# Altium PCB HIVE_BOARD.PcbDoc (part 7 of 9)
Units mil, origin at the board's own origin, x right, y up, seen from the top; angles counter-clockwise.
Board outline 4330.71 x 4330.71 mil, 8 copper layers (Top, GND_1, Signal_1, GND_2, PWR, Signal_2, GND_3, Bottom), stack 62.994 mil thick; 660 components, 468 nets, 2497 pads, 1806 vias.
Unrouted connection lines stored in the file: 30.
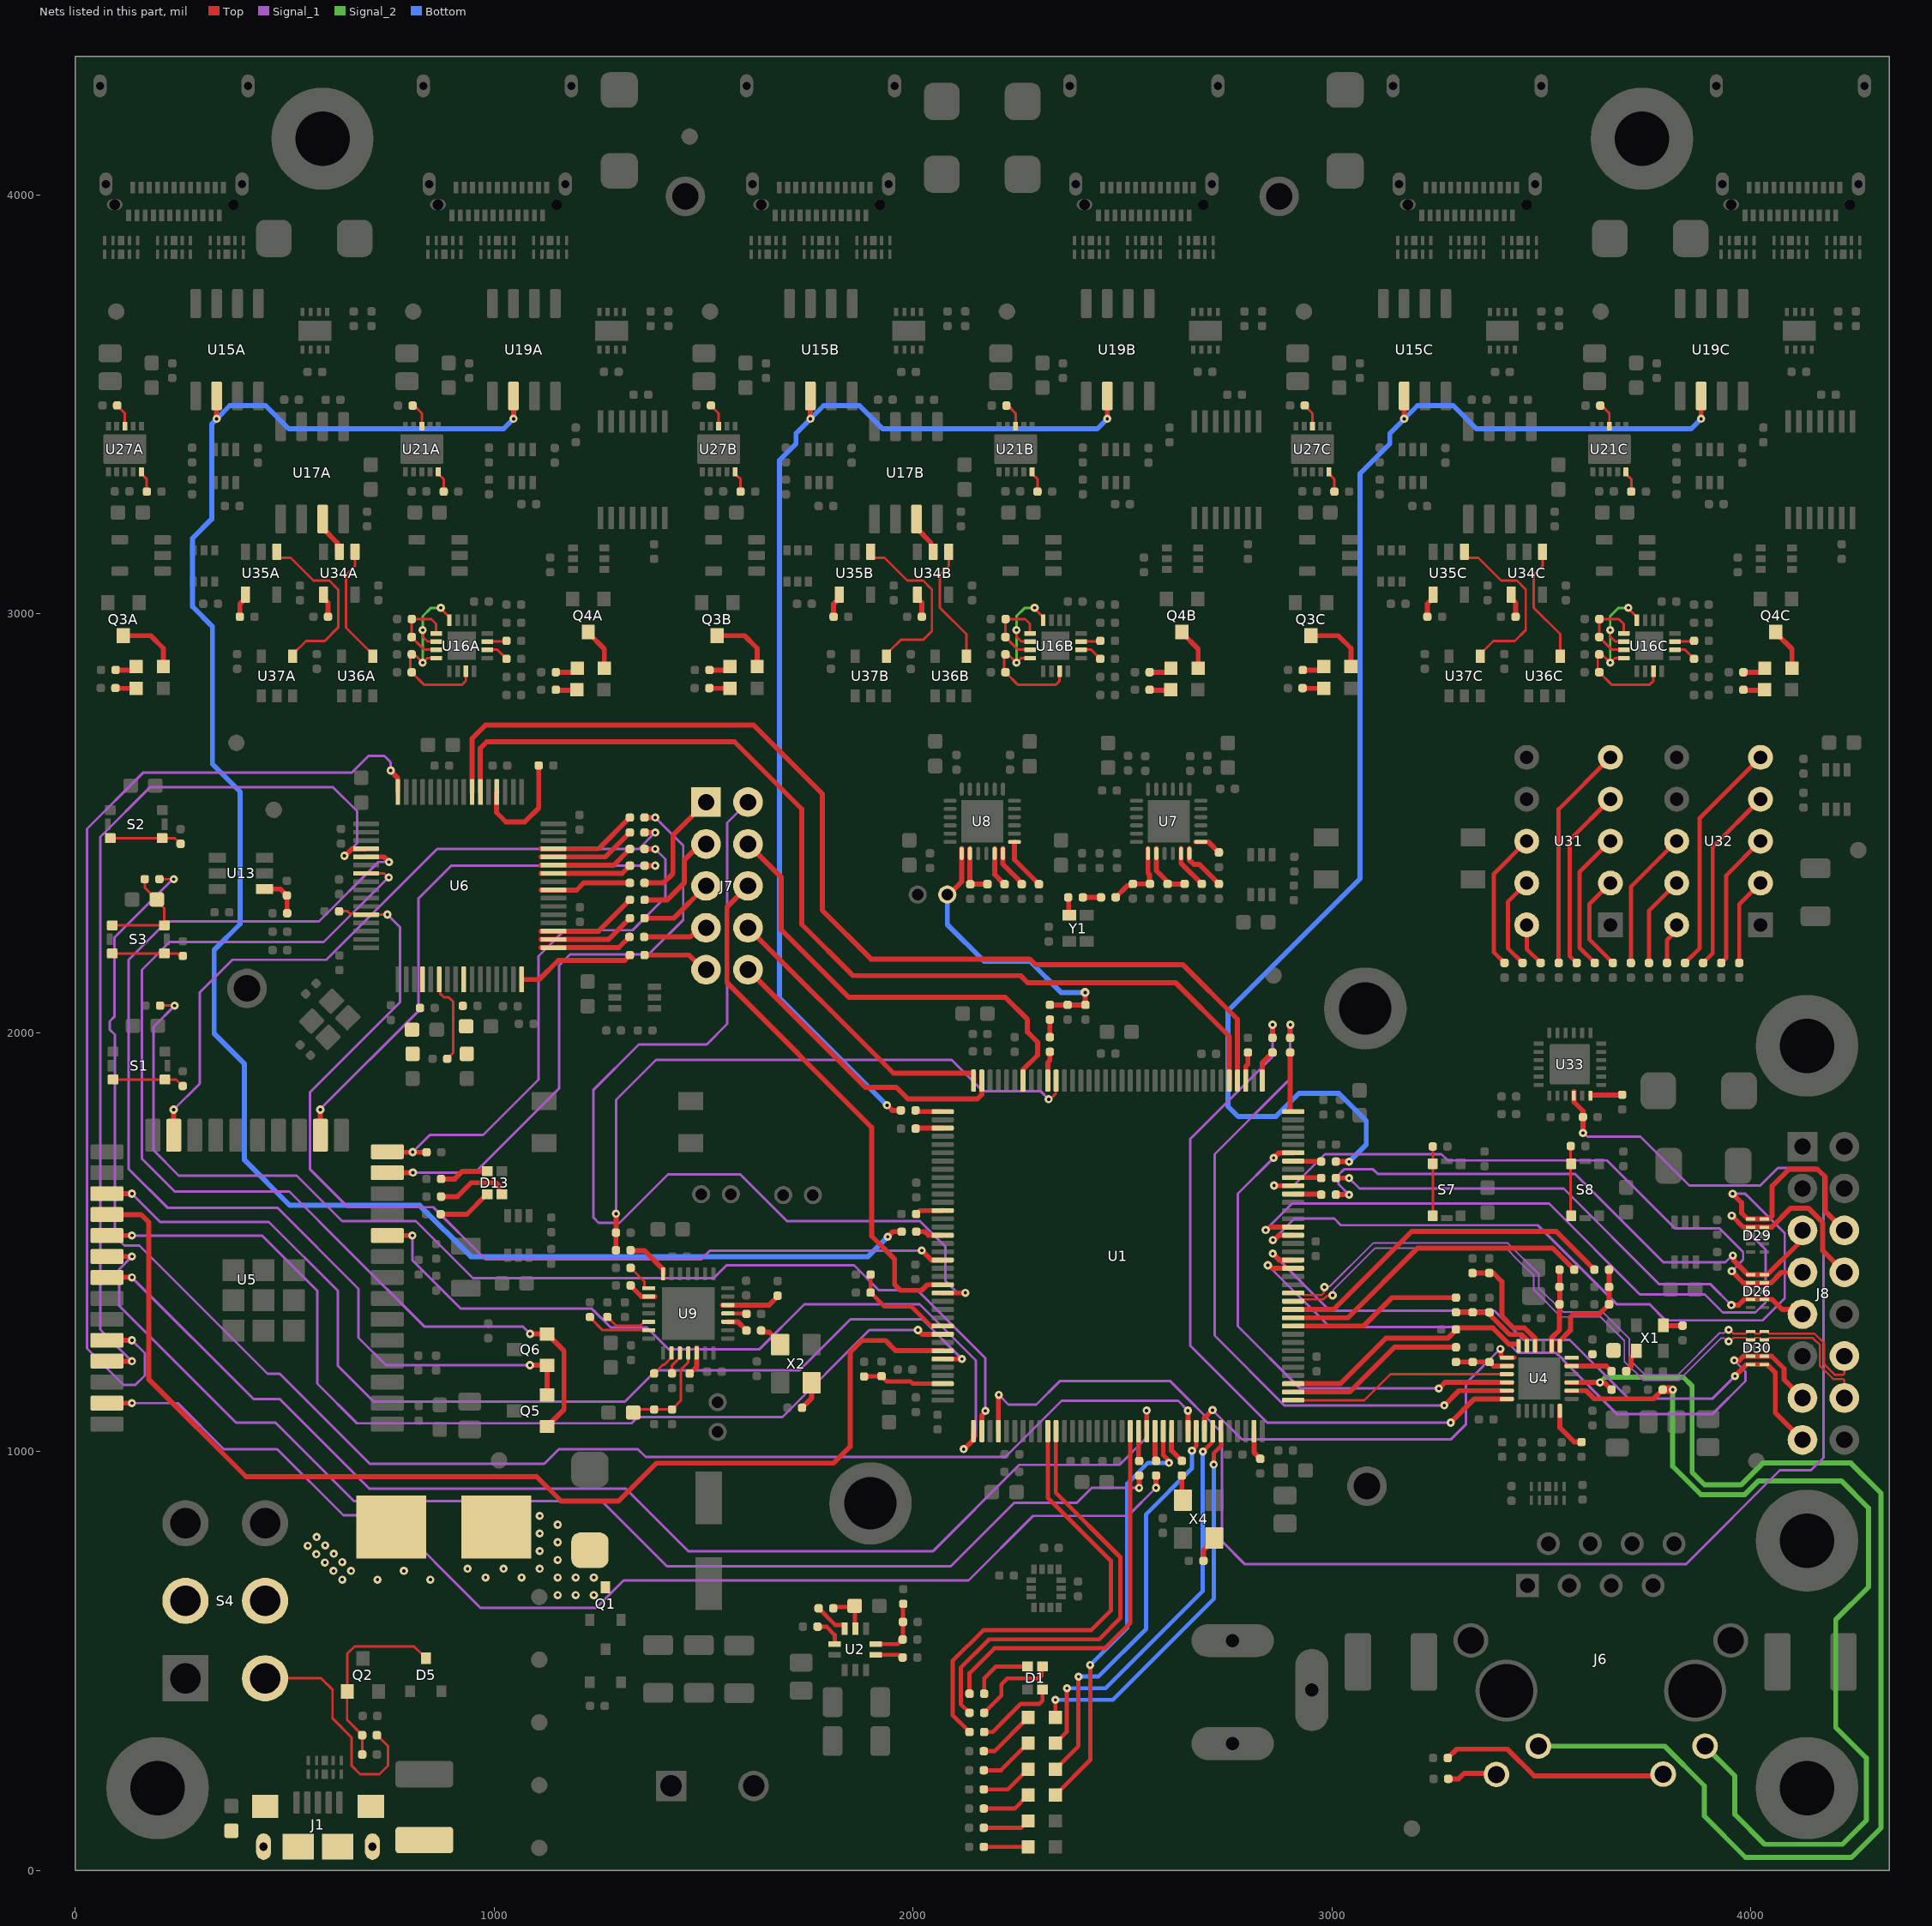
[diagram p13: the nets of this part, all layers, seen from the top]

## Via types
v1: diameter 19.68, hole 7.87, Top to Bottom, tented both sides, 1753 vias
v2: diameter 19.68, hole 7.87, Top to Bottom, 41 vias
v3: diameter 21.65, hole 7.87, Top to Bottom, tented both sides, 7 vias
v4: diameter 19.68, hole 7.87, Top to Bottom, tented bottom, 5 vias

## Nets (pads, with @x,y where several pads share a name; then routed paths per layer and width w, separated by ;. In a path a pad name is that pad's centre, name@x,y a point inside that pad or via, vN(x,y) a via of type N, cw(c..) or ccw(c..) an arc to the next point about the centre after c; other vN are vias at no path point) (continued)
IO_EXP_INT#: R134.1 U1.4 U33.22 | length 3959.9
  Top w12: U1.4@2203.79,1048.79 2203.88,1048.89 2203.88,1134.48 v1(2204.79,1135.39) ; U33.22@3577.71,1859.76 U33.22@3577.71,1849.83 3577.71,1834.62 3599.2,1813.14 R134.1@3599.2,1798.47 R134.1@3599.2,1791.97 ; R134.1@3599.28,1791.89 3599.28,1760.63 v1(3599.35,1760.55)
  Signal_1 w6: v1(2204.79,1135.39) 2228.21,1111.97 2294.49,1111.97 2351.2,1168.68 2613.32,1168.68 2737.46,1044.54 2737.46,786.07 2792.55,730.99 3844.68,730.99 4069.13,955.43 4143.25,955.43 4173.27,985.45 4173.27,1659.91 4155.92,1677.25 4064.7,1677.25 4022.47,1635.02 3853.06,1635.02 3736.25,1751.83 3609.71,1751.83 3600.99,1760.55 v1(3599.35,1760.55)
MCU_LED_0: D22.K U1.30 | length 954.4
  Top w10: D22.K@2339.87,303.88 2367.45,331.46 v1@2367.45,435.2 ; v1(2692,1000) 2714.69,1022.69 2714.69,1047.89 U1.30@2715.6,1048.79
  Bottom w10: v1(2367.69,435.2) 2459.77,435.2 2691.18,666.61 2691.18,999.18 v1(2692,1000)
MCU_LED_1: D23.K U1.28 | length 973.7
  Top w10: D23.K@2339.87,242.04 2395.13,297.29 v1@2395.13,462.88 ; v1(2666,1002) 2666,1002.26 2676.07,1012.33 2676.07,1048.63 U1.28@2676.23,1048.79
  Bottom w10: v1(2395.36,462.88) 2442.66,462.88 2556.57,576.78 2556.57,850.43 2666,959.86 v1(2666,1002)
MCU_LED_2: D24.K U1.24 | length 1016.7
  Top w10: D24.K@2339.87,180.2 2423.3,263.62 v1@2423.3,490.55 ; v1@2422.38,490.32 v1@2422.87,490.81 ; U1.24@2597.49,1048.79 2597.49,991.51 2608.96,980.04 2608.96,975.43 v1(2611.19,973.2)
  Bottom w10: v1(2423.04,490.55) 2511.63,579.14 2511.63,923.49 2561.34,973.2 v1(2611.19,973.2)
MCU_LED_B: R1.2 U1.10 | length 1104.3
  Top w10: R1.2@2135.03,330.68 2094.56,371.15 2094.56,500.26 2167.83,573.52 2425.12,573.52 2472.26,620.66 2472.26,739.54 2322,889.8 2322,1048.69 U1.10@2321.9,1048.79
MCU_LED_G: R2.2 U1.11 | length 1056.6
  Top w10: R2.2@2135.03,376.38 2114,397.41 2114,483.99 2181.84,551.82 2444.07,551.82 2495,602.75 2495,747.71 2341,901.71 2341,1048.21 U1.11@2341.58,1048.79
MCU_LED_HB: D25.K U1.31 | length 927.3
  Top w10: D25.K@2340.01,365.72 v1(2340.01,407.52) ; v1(2718,969) 2718,995.83 2735.28,1013.11 U1.31@2735.28,1048.79
  Bottom w10: v1(2340.01,407.52) 2477.42,407.52 2718,648.1 v1(2718,969)
MCU_LED_R: R3.2 U1.20 | length 940.1
  Top w10: R3.2@2135.03,422.08 2135.03,471.09 2194.37,530.43 2457.99,530.43 2518.75,591.18 U1.20@2518.75,1048.79
MCU_OSC_EN: R64.2 X4.1 | length 65.1
  Top w12: R64.2@2693.45,739.23 2693.45,764.17 2703.38,774.11 2719.04,789.76 X4.1@2719.04,793.7
MCU_RST#: R8.2 U1.27 | length 3876
  Top w6: R8.2@200.97,2366.33 R8.2@201.33,2366.33 v1@235.39,2366.33
  Top w12: U1.27@2656.54,1048.79 v1@2656.54,1097.6
  Signal_1 w6: v1@233.21,2366.33 93.75,2226.87 93.75,2037.75 83.07,2027.07 83.07,2006.93 94.9,1995.1 94.9,1514.56 117.73,1491.72 153.59,1491.72 459.62,1185.69 488.83,1185.69 703.56,970.96 1119.96,970.96 1154.68,1005.67 1343.4,1005.67 1362.08,987 2220.74,987 2354.93,1121.2 2632.94,1121.2 v1(2656.27,1097.87)
  other v1: 235.53,2366.19
MEZ_ADC1_N: D30.2 D30.9 J8.14 U1.49 | length 1723.5
  Top w5: U1.49@2907.53,1358.83 2928.44,1358.83 2933.28,1363.67 2979.82,1363.67 2987.45,1371.3 2999.93,1371.3 v1(3001.65,1373.01) ; v1(3946.95,1262.93) 3949.38,1262.93 3958.21,1271.75 3987.76,1271.75 3990.69,1268.82 3990.69,1268.35 3992.13,1266.91 D30.2@3999.31,1266.91 4006.5,1266.91 4007.93,1268.35 4007.93,1268.82 4010.86,1271.75 4020.63,1271.75 4023.56,1268.82 4023.56,1268.35 4025,1266.91 D30.9@4032.18,1266.91 4039.37,1266.91 4043.55,1271.09 4148.06,1271.09 4165.16,1253.99 4165.16,1204.51 4196.72,1172.95 4220.3,1172.95 4223.23,1170.02 J8.14@4223.23,1127.95
  Signal_1 w4: v1(3001.65,1373.01) 3004.01,1375.38 3004.01,1386.45 3103.42,1485.86 3415.17,1485.86 3444.59,1456.43 3481.76,1419.27 3481.76,1386.35 3546.72,1321.38 3641.31,1321.38 3661.7,1301 3698.08,1264.61 3698.08,1215.36 3742.96,1170.49 3829.49,1170.49 3929.75,1270.75 3935.78,1270.75 3943.61,1262.93 v1(3946.95,1262.93)
MEZ_ADC1_P: D30.1 D30.10 J8.12 U1.50 | length 1726
  Top w5: U1.50@2907.53,1378.52 2928.44,1378.52 2933.28,1373.67 2975.68,1373.67 2980.38,1378.37 2980.38,1390.85 v1(2982.09,1392.57) ; v1(3946.95,1290.58) 3949.38,1290.58 3958.21,1281.75 3987.76,1281.75 3990.69,1284.68 3990.69,1285.16 3992.13,1286.6 D30.1@3999.31,1286.6 4006.5,1286.6 4007.93,1285.16 4007.93,1284.68 4010.86,1281.75 4020.63,1281.75 4023.56,1284.68 4023.56,1285.16 4025,1286.6 D30.10@4032.18,1286.6 4039.37,1286.6 4040.81,1285.16 4040.81,1284.68 4043.74,1281.75 4151.54,1281.75 4175.16,1258.13 4175.16,1208.65 4200.86,1182.95 4220.3,1182.95 4223.23,1185.88 J8.12@4223.23,1227.95
  Signal_1 w4: v1(2982.09,1392.57) 2984.46,1394.93 2995.53,1394.93 3098.45,1497.86 3420.14,1497.86 3493.76,1424.24 3493.76,1391.32 3551.69,1333.38 3646.28,1333.38 3678.67,1301 3710.08,1269.58 3710.08,1220.33 3747.93,1182.49 3824.52,1182.49 3924.78,1282.75 3935.78,1282.75 3943.61,1290.58 v1(3946.95,1290.58)
MEZ_I2C_SCL: D30.4 D30.7 J8.13 U1.53 | length 1668.5
  Top w12: v1(2847.2,1444.81) 2849.82,1444.81 2857.05,1437.57 U1.53@2907.53,1437.57 ; v1(3960.33,1217.77) 3973.01,1217.77 3982.79,1227.54 D30.4@3999.31,1227.54 D30.7@4032.18,1227.54 4049.46,1227.54 4079.12,1197.88 4079.12,1172.06 J8.13@4123.23,1127.95
  Signal_1 w6: v1(2847.2,1444.81) 2994.82,1297.19 3382.2,1297.19 3443.65,1235.74 3534.17,1235.74 3538.86,1231.05 3541.2,1231.05 3551.06,1221.18 3551.06,1218.84 3680.69,1089.22 3908.06,1089.22 3987.1,1168.26 3987.1,1190.99 v1(3960.33,1217.77)
MEZ_I2C_SDA: D30.5 D30.6 J8.15 U1.54 | length 1627.8
  Top w12: v1(2858.74,1472.67) 2874.06,1457.35 2907.43,1457.35 U1.54@2907.53,1457.26 ; v1(3962.21,1180.22) 3989.85,1207.85 D30.5@3999.31,1207.85 D30.6@4032.18,1207.85 4039.15,1207.85 4051,1196 4058.46,1188.54 4058.46,1092.72 J8.15@4123.23,1027.95
  Signal_1 w6: v1(2858.74,1472.67) 2994.93,1336.49 3387.83,1336.49 3457.42,1266.9 3567.81,1266.9 3708.7,1126 3908,1126 v1(3962.21,1180.22)
MEZ_SPI_MISO: D26.2 D26.9 J8.7 U1.63 | length 1541.1
  Top w12: v1(2861.91,1635.13) 2862.52,1634.52 2907.43,1634.52 U1.63@2907.53,1634.42 ; v1(3954.35,1430.65) 3982.18,1402.82 D26.2@3999.31,1402.82 D26.9@4032.18,1402.82 4047.82,1402.82 4072.95,1427.95 J8.7@4123.23,1427.95
  Signal_1 w6: v1(2861.91,1635.13) 2908.74,1635.13 2983.44,1709.82 3261.76,1709.82 3276.66,1694.92 3656.47,1694.92 3818.36,1533.03 3924.97,1533.03 3981.61,1476.39 3981.61,1457.91 v1(3954.35,1430.65)
MEZ_SPI_MOSI: D26.4 D26.7 J8.9 R173.2 | length 1259.2
  Top w12: R173.2@3009.5,1653 v1@3040.8,1653 ; v1(3953.39,1349.75) 3970.98,1349.75 3984.68,1363.45 D26.4@3999.31,1363.45 D26.7@4032.18,1363.45 4050.74,1363.45 4074.97,1339.22 4111.96,1339.22 J8.9@4123.23,1327.95
  Signal_1 w6: v1(3041.13,1652.67) 3066.18,1627.62 3553,1627.62 3781.25,1399.36 3903.78,1399.36 v1(3953.39,1349.75)
MEZ_SPI_SCK: D26.1 D26.10 J8.5 R172.2 | length 1381.1
  Top w12: R172.2@3009.5,1613.38 v1@3040.8,1613.38 ; v1(3957,1468) 3958.85,1466.15 3958.85,1456.68 3993.02,1422.5 D26.1@3999.31,1422.5 D26.10@4032.18,1422.5 4039.5,1422.5 4111.96,1494.96 4111.96,1516.69 J8.5@4123.23,1527.95
  Signal_1 w6: v1(3041.13,1613.04) 3016.18,1637.99 3016.18,1660.9 3028.92,1673.65 3098.45,1673.65 3109.09,1663.01 3580.06,1663.01 3791.12,1451.95 3939.23,1451.95 3955.28,1468 v1(3957,1468)
MEZ_UART_Rx: D29.1 D29.10 J8.6 U1.57 | length 2242.4
  Top w12: v1(2859.12,1504.76) 2861.73,1504.76 2873.19,1516.22 2907.43,1516.22 U1.57@2907.53,1516.31 ; v1(3956.62,1615.29) 3978.14,1593.77 3978.14,1569.47 3992.5,1555.12 D29.1@3999.31,1555.12 D29.10@4032.18,1555.12 4043.75,1555.12 4050.77,1562.15 4050.77,1633.73 4091.05,1674 4159.17,1674 4177.8,1655.38 4177.8,1573.39 J8.6@4223.23,1527.95
  Signal_1 w6: v1(2859.12,1504.76) 2910.36,1556 3005.55,1556 3021.1,1540.45 3491.14,1540.45 3679.59,1352 3757.71,1352 3796.53,1313.18 4028.07,1313.18 4077.28,1362.38 4080.8,1365.9 4080.8,1521.18 3998.28,1603.7 3986.68,1615.29 v1(3956.62,1615.29)
MEZ_UART_Tx: D29.2 D29.9 J8.8 U1.58 | length 2048.1
  Top w12: v1(2841.94,1528.93) 2844.56,1528.93 2851.62,1536 U1.58@2907.53,1536 ; v1(3954.35,1563.27) 3982.18,1535.43 D29.2@3999.31,1535.43 D29.9@4032.18,1535.43 4049.43,1535.43 4095.1,1581.1 4136.87,1581.1 4171.71,1546.26 4171.71,1479.47 J8.8@4223.23,1427.95
  Signal_1 w6: v1(2841.94,1528.93) 2904.86,1591.85 3518.21,1591.85 3735.06,1375 3889.94,1375 3933.01,1331.93 4010.88,1331.93 4035.35,1356.39 4035.35,1482.27 v1(3954.35,1563.27)
MODE0: R18.1 R53.1 R157.2 U4.8 | length 202.1
  Top w12: U4.8@3524.38,1240 3524.38,1271.38 3543.28,1290.28 R53.1@3543.28,1351.58 ; R53.1@3543.83,1351.58 3543.83,1393.08 R18.1@3543.83,1434.31
MODE1: R19.1 R58.1 R158.2 U4.7 | length 279.1
  Top w12: U4.7@3544.06,1240 3544.06,1264.06 3569.39,1289.39 3569.39,1320.97 3576.42,1328 3637.92,1328 3657.51,1347.58 3657.66,1347.58 R58.1@3661.66,1351.58 R158.2@3661.58,1392.88 3661.58,1434.23 R19.1@3661.51,1434.31
MODE2: R47.1 R60.1 R159.2 U4.11 | length 226.1
  Top w12: R47.1@3296.12,1332.48 R47.1@3296.12,1332.48 R159.2@3376.06,1332.4 R159.2@3376.06,1332.4 3380.06,1328.4 3380.06,1323.94 3424.52,1279.48 3453.11,1279.48 3465.22,1267.36 3465.22,1252.44 U4.11@3465.32,1252.33 U4.11@3465.32,1240
NetC4_1: C4.1 R8.1 S3.3 S3.4 | length 248.9
  Top w6: S3.4@88.92,2256.09 S3.3@212.93,2256.09 212.93,2296.97 C4.1@196.54,2313.36 ; R8.1@166.33,2366.33 166.33,2346.15 194.73,2317.75 C4.1@195.23,2317.75
NetC26_1: C26.1 R15.1 R26.2 U2.7 | length 154.1
  Top w10: U2.7@1911.56,540.58 1963.98,540.58 1974.89,551.48 R15.1@1975.43,551.48 1976.13,552.19 1976.13,635.89 R26.2@1976.84,636.6
NetC37_1: C37.1 R24.2 U2.9 | length 109.1
  Top w10: R24.2@1809.76,625.98 1812.76,628.98 1857.76,628.98 C37.1@1860.76,631.98 1861.55,631.18 1861.55,577.79 U2.9@1862.35,577
NetC47_2: C47.2 U9.9 | length 71.3
  Top w12: C47.2@1323.73,1396.59 1327.73,1392.59 1329.41,1392.59 1352,1370 U9.9@1384.06,1370
NetC48_2: C48.2 U9.25 | length 44.9
  Top w10: U9.25@1558.22,1329.83 1568.89,1329.83 1569.08,1329.64 1601.59,1329.64 C48.2@1602.64,1328.59
NetC54_2: C54.2 C56.2 U4.6
NetC80_1: C80.1 C81.2 L4.2 U6.4
NetC82_1: C82.1 C83.2 L6.2 U6.9
NetC86_1: C86.1 R7.2 R20.1 U9.18 | length 246.4
  Top w6: C86.1@1332.45,1093.1 1339.83,1100.48 R7.2@1424.86,1100.48 1446.27,1121.88 1446.27,1195.63 1463.72,1213.09 U9.18@1463.72,1235.33
NetC94_1: C94.1 R81.1 R84.2 U7.7 | length 177.1
  Top w12: C94.1@2481.85,2323.98 C94.1@2483.85,2321.98 ; C94.1@2483.85,2322.95 2511.9,2351 2521,2351 R81.1@2525,2355 R81.1@2525,2355 R84.2@2565.8,2355.08 ; U7.7@2561.18,2439.55 U7.7@2561.18,2427.68 2561.18,2380.84 2564.43,2377.59 R84.2@2564.43,2361.91
NetC94_2: C94.2 R82.1 | length 43.8
  Top w12: R82.1@2405.49,2322.95 2405.97,2322.47 2448.36,2322.47 C94.2@2448.85,2321.98
NetD1_1: D1.1 R1.1 | length 197
  Top w10: R1.1@2170.03,330.68 2190.29,330.68 2226.6,367 2257.66,398.06 2302.25,398.06 2309.28,405.09 D1.1@2309.28,432.02
NetD1_2: D1.2 R2.1 | length 212
  Top w10: R2.1@2170.03,376.38 2210.99,417.34 2210.99,444.36 2225.21,458.58 2299.58,458.58 2306.42,465.42 2306.42,484.28 D1.2@2309.28,487.14
NetD1_4: D1.4 R3.1 | length 152.3
  Top w10: R3.1@2170.03,422.08 2170.03,458.92 2198.25,487.14 D1.4@2273.84,487.14
NetD3_1: D3.1 F1.2 Q1.3
  other v1: 1152.07,657.37 1195.13,657.37 1238.18,657.37 979.86,699.41 1065.97,699.41 1152.07,699.41 1195.13,699.41 1238.18,699.41 936.81,720.43 1022.91,720.43 1109.02,720.43 1152.07,741.44 1109.02,762.46 1152.07,783.48 1109.02,804.5 1152.07,825.51 1109.02,846.53
NetD4_A: D4.A R11.2 | length 105.8
  Top w10: R11.2@2169.09,56.5 D4.A@2274.91,56.51
NetD5_3: D5.3 Q2.1 R13.1 R14.2 | length 459.5
  Top w6: R14.2@685.24,281.24 685.28,281.28 685.28,323.56 685.32,323.6 649.27,359.64 649.27,427.09 Q2.1@649.79,427.6 649.79,517.79 667,535 809.11,535 826.72,517.39 828.68,517.39 837.49,508.58 D5.3@837.49,506.61
NetD6_A: D6.A R25.1 | length 112.6
  Top w10: R25.1@2169.01,102.2 2258.75,102.2 D6.A@2274.91,118.35
NetD13_1: D13.1 R40.1 | length 117.5
  Top w12: R40.1@873.69,1650.7 906.4,1650.7 924.8,1669.1 D13.1@983.54,1669.1
NetD13_2: D13.2 R46.1 | length 130.5
  Top w12: R46.1@872.68,1566.63 935.21,1566.63 982.56,1613.98 D13.2@983.54,1613.98
NetD13_4: D13.4 R63.1 | length 179
  Top w12: R63.1@873.69,1608.67 912.73,1608.67 945.77,1641.71 1004.92,1641.71 1012.18,1634.45 1012.18,1619.79 1017.99,1613.98 D13.4@1018.98,1613.98
NetD14A_A: D14A.A R115A.1 | length 53.9
  Top w12: R115A.1@92.56,2821.81 145.56,2821.81 D14A.A@145.87,2821.5 ; R115A.1@96.35,2822.71 R115A.1@96.66,2822.39
NetD14B_A: D14B.A R115B.1 | length 53.9
  Top w12: R115B.1@1509.88,2821.81 1562.88,2821.81 D14B.A@1563.2,2821.5 ; R115B.1@1513.9,2822.42 R115B.1@1514.22,2822.1
NetD14C_A: D14C.A R115C.1 | length 53.9
  Top w12: R115C.1@2927.2,2821.81 2980.21,2821.81 D14C.A@2980.52,2821.5 ; R115C.1@2929.94,2822.37 R115C.1@2930.26,2822.06
NetD17A_A: D17A.A R77A.1 | length 56.7
  Top w12: R77A.1@92.77,2865.29 137.16,2865.29 D17A.A@145.87,2874
NetD17A_K: D17A.K Q3A.3 | length 151.2
  Top w12: Q3A.3@115.47,2947.63 180.51,2947.63 210.83,2917.31 D17A.K@210.83,2874
NetD17B_A: D17B.A R77B.1 | length 56.7
  Top w12: R77B.1@1510.09,2865.29 1554.48,2865.29 D17B.A@1563.2,2874
NetD17B_K: D17B.K Q3B.3 | length 151.2
  Top w12: Q3B.3@1532.79,2947.63 1597.84,2947.63 1628.16,2917.31 D17B.K@1628.16,2874
NetD17C_A: D17C.A R77C.1 | length 56.7
  Top w12: R77C.1@2927.42,2865.29 2971.81,2865.29 D17C.A@2980.52,2874
NetD17C_K: D17C.K Q3C.3 | length 151.2
  Top w12: Q3C.3@2950.12,2947.63 3015.16,2947.63 3045.48,2917.31 D17C.K@3045.48,2874
NetD19A_A: D19A.A R110A.1 | length 56.7
  Top w12: R110A.1@1147.57,2860.29 1191.96,2860.29 D19A.A@1200.67,2869
NetD19A_K: D19A.K Q4A.3 | length 102.3
  Top w12: Q4A.3@1224.9,2956.33 1224.9,2954.36 1263.48,2915.78 D19A.K@1263.48,2870
NetD19B_A: D19B.A R110B.1 | length 56.7
  Top w12: R110B.1@2564.89,2860.29 2609.28,2860.29 D19B.A@2617.99,2869
NetD19B_K: D19B.K Q4B.3 | length 102.3
  Top w12: Q4B.3@2642.22,2956.33 2642.22,2954.36 2680.8,2915.78 D19B.K@2680.8,2870
NetD19C_A: D19C.A R110C.1 | length 56.7
  Top w12: R110C.1@3982.21,2860.29 4026.6,2860.29 D19C.A@4035.32,2869
NetD19C_K: D19C.K Q4C.3 | length 102.3
  Top w12: Q4C.3@4059.54,2956.33 4059.54,2954.36 4098.13,2915.78 D19C.K@4098.13,2870
NetD20A_A: D20A.A R123A.1 | length 53.9
  Top w12: R123A.1@1147.04,2817.12 1147.36,2816.81 1200.36,2816.81 D20A.A@1200.67,2816.5
NetD20B_A: D20B.A R123B.1 | length 53.9
  Top w12: R123B.1@2564.36,2817.12 2564.68,2816.81 2617.68,2816.81 D20B.A@2617.99,2816.5
NetD20C_A: D20C.A R123C.1 | length 53.9
  Top w12: R123C.1@3981.69,2817.12 3982,2816.81 4035,2816.81 D20C.A@4035.32,2816.5
NetD22_A: D22.A R5.2 | length 132.6
  Top w10: R5.2@2169.09,239.29 2210.32,239.29 D22.A@2274.91,303.88
NetD23_A: D23.A R23.2 | length 125.9
  Top w10: R23.2@2169.09,193.59 2226.47,193.59 D23.A@2274.91,242.04
NetD24_A: D24.A R33.2 | length 119.2
  Top w10: R33.2@2169.09,147.89 2242.61,147.89 D24.A@2274.91,180.2
NetD25_A: D25.A R129.2 | length 139.4
  Top w10: R129.2@2169.09,284.99 2194.32,284.99 D25.A@2275.05,365.72
NetF1_1: F1.1 S4.2 S4.5
  other v1: 637.89,694.2 721.96,694.2 848.07,694.2 616.88,715.22 658.91,715.22 785.02,715.22 596.43,735.19 637.89,736.24 575.98,755.16 617.45,756.21 555.53,775.13 597,776.18 576.55,796.15
NetJ6_9: J6.9 R51.2 | length 121.7
  Top w12: R51.2@3277.73,218.91 3302.39,218.91 3315.65,232.16 3389.82,232.16 J6.9@3392.7,229.28
NetJ6_11: J6.11 R49.2 | length 551
  Top w12: R49.2@3276.5,268.67 3297.68,289.85 3418.96,289.85 3482.68,226.13 3786.8,226.13 J6.11@3790.73,230.07
NetJ7_1: J7.1 R79.1 | length 280.4
  Top w12: R79.1@1359.23,2357.44 1404.72,2357.44 1427.06,2379.78 1427.06,2471.08 J7.1@1506.25,2550.27
NetJ7_2: J7.2 U1.131 | length 2400.3
  Top w12: U1.131@2070.82,1378.42 U1.131@2070.91,1378.52 2071.01,1378.61 2124.95,1378.61 v1(2125.2,1378.86)
  Signal_1 w6: J7.2@1606.25,2550.27 1556.73,2500.75 1556.73,2020.9 1507.79,1971.95 1345.8,1971.95 1236.83,1862.98 1236.83,1559.04 1249.79,1546.08 1299.86,1546.08 1415.48,1661.71 1587.9,1661.71 1699.79,1549.81 2016.87,1549.81 2077.2,1489.48 2077.2,1407.83 2105.37,1379.66 2124.4,1379.66 v1(2125.2,1378.86)
NetJ7_3: J7.3 R54.1 | length 233.9
  Top w12: R54.1@1359.37,2316.97 1413.62,2316.97 1453.89,2357.24 1453.89,2411.49 1492.66,2450.27 J7.3@1506.25,2450.27
NetJ7_4: J7.4 U1.102 | length 1084.3
  Top w12: J7.4@1606.25,2450.27 1685.89,2370.63 1685.89,2245.23 1846.67,2084.45 2220.28,2084.45 2273.31,2031.42 2273.31,2001.55 2297.37,1977.48 2297.37,1946.37 2262.84,1911.84 U1.102@2262.84,1885.4
NetJ7_5: J7.5 R37.1 | length 178.8
  Top w12: R37.1@1359.37,2273.27 1429.25,2273.27 J7.5@1506.25,2350.27
NetJ7_6: J7.6 U1.130 | length 1264.1
  Top w12: J7.6@1606.25,2350.27 1556,2300.01 1556,2119.49 1901.54,1773.95 1901.54,1514.25 1956.27,1459.52 1956.27,1398.73 1970.24,1384.76 2020.94,1384.76 2034.29,1398.11 2070.82,1398.11 U1.130@2070.91,1398.2
NetJ7_7: J7.7 R32.1 | length 156.9
  Top w12: R32.1@1358.37,2228.39 1468.45,2228.39 1490.32,2250.27 J7.7@1506.25,2250.27
NetJ7_8: J7.8 U1.108 | length 699.9
  Top w12: J7.8@1606.25,2250.27 1953.49,1903.03 2144.64,1903.03 2144.73,1902.93 U1.108@2144.73,1885.4
NetJ7_9: J7.9 R31.1 | length 161.3
  Top w12: R31.1@1359.36,2185.11 1465.53,2185.11 1500.37,2150.27 J7.9@1506.25,2150.27
NetJ7_10: J7.10 U1.107 | length 723.3
  Top w12: J7.10@1606.25,2150.27 1735.93,2020.59 1886.79,1869.72 1959.9,1869.72 1987.97,1841.66 2153.47,1841.66 2164.32,1852.51 2164.32,1885.31 U1.107@2164.42,1885.4
NetQ5_1: Q5.1 Q6.2 U6.55 | length 2585.8
  Top w6: U6.55@694.55,2380.02 737.46,2380.02 747,2370.47 v1(748.8,2370.47)
  Top w12: v1@1086.29,1280.66 Q6.2@1126.9,1280.66 1128.87,1280.66 1138.61,1270.92 1138.61,1268.95 1167.27,1240.29 1167.27,1100.33 1138.61,1071.67 1138.61,1069.7 1128.87,1059.96 Q5.1@1126.9,1059.96
  Signal_1 w6: v1@747.9,2370.47 593.52,2216.09 225.66,2216.09 159.45,2149.88 159.45,1699.03 237.73,1620.76 511.43,1620.76 651.49,1480.7 833.5,1298.69 1068.26,1298.69 v1(1086.1,1280.85)
NetQ5_2: Q5.2 Q6.1 U6.53 | length 2609.3
  Top w12: U6.53@694.55,2419.39 737.12,2419.39 v1(749.3,2407.21) ; v1(1085.92,1206.23) 1086.1,1206.05 1126.71,1206.05 Q6.1@1126.9,1205.86 Q5.2@1126.9,1134.76
  Signal_1 w6: v1(749.3,2407.21) 723.92,2407.21 582.31,2265.61 219.67,2265.61 128,2173.94 128,1674.59 220.38,1582.21 482.77,1582.21 676.71,1388.27 676.71,1272.01 742.49,1206.23 v1(1085.92,1206.23)
NetR4_2: R4.2 U9.17 | length 56.5
  Top w6: R4.2@1424.85,1186.65 1424.85,1205.65 1433.29,1214.09 ; 1433.32,1214.09 1443.72,1224.5 U9.17@1443.72,1235.33
NetR6_2: R6.2 U9.13 | length 152.9
  Top w6: R6.2@1228.92,1320.32 1259.42,1289.83 U9.13@1369.22,1289.83
NetR9_2: R9.2 S3.1 S3.2 | length 173.4
  Top w6: S3.2@88.92,2189.16 S3.1@212.93,2189.16 243.4,2189.16 R9.2@256.79,2175.76
NetR13_2: R13.2 S4.4 | length 560.6
  Top w6: S4.4@453.62,458.79 587.54,458.79 614.51,431.81 614.51,363.29 659.64,318.17 659.64,250.76 680.4,230 726.63,230 747.18,250.55 747.18,296.73 R13.2@720.32,323.6
NetR16_1: R16.1 U9.7 | length 107.3
  Top w12: R16.1@1325.64,1479.59 1359.29,1479.59 1403.72,1435.15 U9.7@1403.72,1424.33
NetR16_2: R16.2 R17.1 U1.98 | length 1525.2
  Top w6: v1(2324,1841) 2327.67,1841 2341.09,1854.42 2341.09,1884.91 U1.98@2341.58,1885.4
  Top w12: R16.2@1290.64,1479.59 1290.89,1479.84 1290.89,1522.34 R17.1@1291.14,1522.59 1291.22,1522.67 1291.22,1567.75 v1(1291.3,1567.83)
  Signal_1 w6: v1(1291.3,1567.83) 1291.3,1839.67 1386.47,1934.83 2092.42,1934.83 2166.63,1860.63 2304.37,1860.63 v1(2324,1841)
NetR18_2: R18.2 U1.47 | length 761.3
  Top w12: U1.47@2907.53,1319.46 3038.58,1319.46 3205.06,1485.94 3526.81,1485.94 R18.2@3578.44,1434.31
NetR19_2: R19.2 U1.48 | length 834
  Top w12: U1.48@2907.53,1339.15 3004,1339.15 3190.39,1525.53 3535.28,1525.53 R19.2@3626.51,1434.31
NetR21_1: R21.1 U2.1 | length 70.8
  Top w10: R21.1@1772.35,582.15 1793.39,582.15 1813.13,562.41 U2.1@1813.13,540.58